# Altium PCB 智能马桶综合检测台_数据板V1.0.PcbDoc (part 3 of 8) (continued)
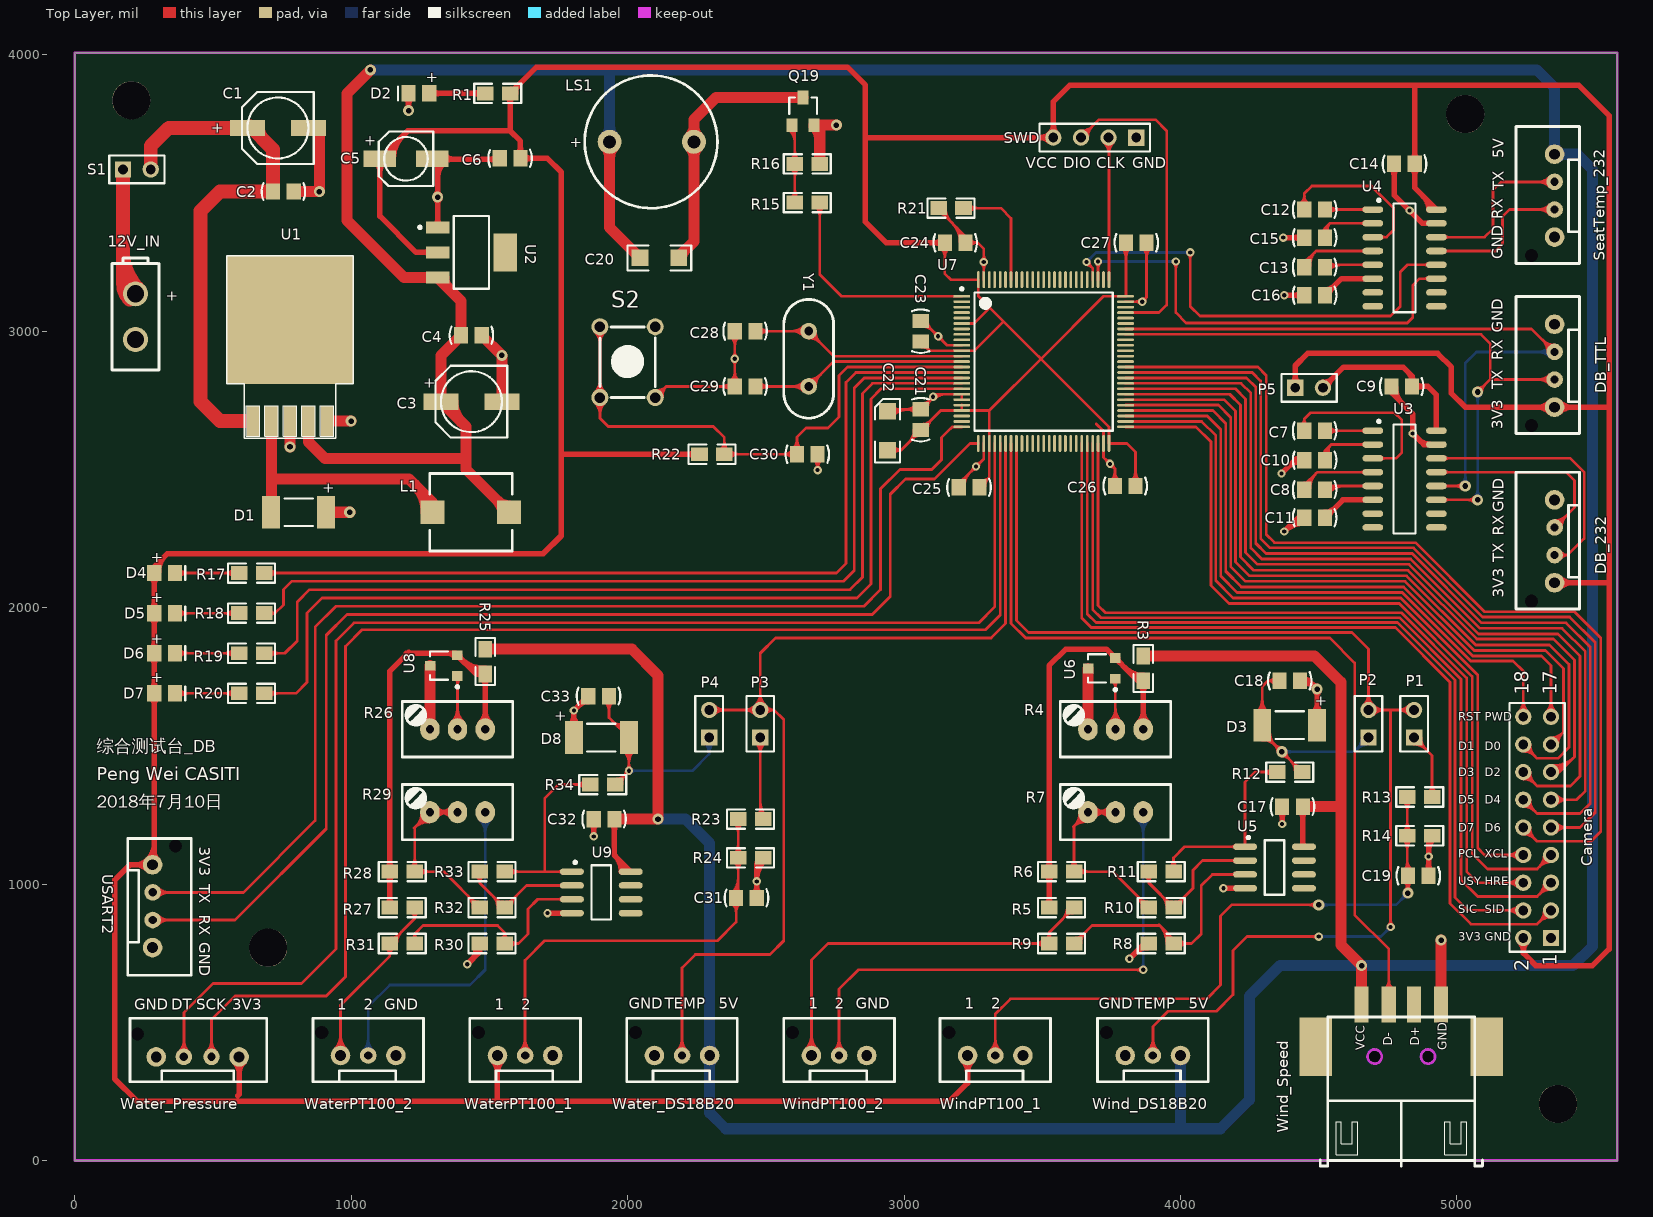
[diagram p0: Top Layer view]
## Nets (pads, with @x,y where several pads share a name; then routed paths per layer and width w, separated by ;. In a path a pad name is that pad's centre, name@x,y a point inside that pad or via, vN(x,y) a via of type N, cw(c..) or ccw(c..) an arc to the next point about the centre after c; other vN are vias at no path point) (continued)
DB_TX: DB_TTL.2 U3.11 U7.68 | length 4728.9
  Top Layer w10: U7.68@3801.26,2988.43 5086.57,2988.43 5120,2955 5120,2825 ; U3.11@4925.63,2390 v2(5075,2390) ; v2(5075,2780) 5120,2825 ; DB_TTL.2@5353,2825 5120,2825 ; U3.11@4956.04,2385.18 cw(c4967.66,2373.56) 4967.66,2390 ; U3.11@4956.04,2385.18 cw(c4967.66,2373.56) 4967.66,2390 ; U3.11@4956.04,2385.18 cw(c4967.66,2373.56) 4967.66,2390 ; U3.11@4956.04,2385.18 cw(c4967.66,2373.56) 4967.66,2390 ; U3.11@4956.04,2385.18 cw(c4967.66,2373.56) 4967.66,2390 ; U3.11@4956.04,2385.18 cw(c4967.66,2373.56) 4967.66,2390 ; U3.11@4956.04,2394.82 ccw(c4967.66,2406.44) 4967.66,2390 ; U3.11@4956.04,2394.82 ccw(c4967.66,2406.44) 4967.66,2390 ; U3.11@4956.04,2394.82 ccw(c4967.66,2406.44) 4967.66,2390 ; U3.11@4956.04,2394.82 ccw(c4967.66,2406.44) 4967.66,2390 ; U3.11@4956.04,2394.82 ccw(c4967.66,2406.44) 4967.66,2390 ; U3.11@4956.04,2394.82 ccw(c4967.66,2406.44) 4967.66,2390 ; 5038.79,2390 cw(c5038.79,2353.79) v2@5064.39,2379.39 ; 5038.79,2390 ccw(c5038.79,2426.21) v2@5064.39,2400.61 ; 5038.79,2390 ccw(c5038.79,2426.21) v2@5064.39,2400.61 ; 5038.79,2390 cw(c5038.79,2353.79) v2@5064.39,2379.39 ; 5038.79,2390 ccw(c5038.79,2426.21) v2@5064.39,2400.61 ; 5038.79,2390 cw(c5038.79,2353.79) v2@5064.39,2379.39 ; 5038.79,2390 ccw(c5038.79,2426.21) v2@5064.39,2400.61 ; 5038.79,2390 cw(c5038.79,2353.79) v2@5064.39,2379.39 ; 5038.79,2390 ccw(c5038.79,2426.21) v2@5064.39,2400.61 ; 5038.79,2390 cw(c5038.79,2353.79) v2@5064.39,2379.39 ; 5038.79,2390 ccw(c5038.79,2426.21) v2@5064.39,2400.61 ; 5038.79,2390 cw(c5038.79,2353.79) v2@5064.39,2379.39 ; v2@5075,2795 ccw(c5075,2831.21) 5100.61,2805.61 ; v2@5075,2795 ccw(c5075,2831.21) 5100.61,2805.61 ; v2@5075,2795 ccw(c5075,2831.21) 5100.61,2805.61 ; v2@5075,2795 ccw(c5075,2831.21) 5100.61,2805.61 ; v2@5075,2795 ccw(c5075,2831.21) 5100.61,2805.61 ; v2@5075,2795 ccw(c5075,2831.21) 5100.61,2805.61 ; v2@5090,2780 cw(c5126.21,2780) 5100.61,2805.61 ; v2@5090,2780 cw(c5126.21,2780) 5100.61,2805.61 ; v2@5090,2780 cw(c5126.21,2780) 5100.61,2805.61 ; v2@5090,2780 cw(c5126.21,2780) 5100.61,2805.61 ; v2@5090,2780 cw(c5126.21,2780) 5100.61,2805.61 ; v2@5090,2780 cw(c5126.21,2780) 5100.61,2805.61 ; 5292.64,2825 cw(c5292.64,2764.64) DB_TTL.2@5335.32,2807.32 ; 5292.64,2825 ccw(c5292.64,2885.36) DB_TTL.2@5335.32,2842.68 ; 5292.64,2825 ccw(c5292.64,2885.36) DB_TTL.2@5335.32,2842.68 ; 5292.64,2825 cw(c5292.64,2764.64) DB_TTL.2@5335.32,2807.32 ; 5292.64,2825 ccw(c5292.64,2885.36) DB_TTL.2@5335.32,2842.68 ; 5292.64,2825 cw(c5292.64,2764.64) DB_TTL.2@5335.32,2807.32 ; 5292.64,2825 ccw(c5292.64,2885.36) DB_TTL.2@5335.32,2842.68 ; 5292.64,2825 cw(c5292.64,2764.64) DB_TTL.2@5335.32,2807.32 ; 5292.64,2825 ccw(c5292.64,2885.36) DB_TTL.2@5335.32,2842.68 ; 5292.64,2825 cw(c5292.64,2764.64) DB_TTL.2@5335.32,2807.32 ; 5292.64,2825 ccw(c5292.64,2885.36) DB_TTL.2@5335.32,2842.68 ; 5292.64,2825 cw(c5292.64,2764.64) DB_TTL.2@5335.32,2807.32 ; 5316.79,2825 cw(c5316.79,2788.79) DB_TTL.2@5342.39,2814.39 ; 5316.79,2825 ccw(c5316.79,2861.21) DB_TTL.2@5342.39,2835.61 ; 5316.79,2825 ccw(c5316.79,2861.21) DB_TTL.2@5342.39,2835.61 ; 5316.79,2825 cw(c5316.79,2788.79) DB_TTL.2@5342.39,2814.39 ; 5316.79,2825 ccw(c5316.79,2861.21) DB_TTL.2@5342.39,2835.61 ; 5316.79,2825 cw(c5316.79,2788.79) DB_TTL.2@5342.39,2814.39 ; 5316.79,2825 ccw(c5316.79,2861.21) DB_TTL.2@5342.39,2835.61 ; 5316.79,2825 cw(c5316.79,2788.79) DB_TTL.2@5342.39,2814.39 ; 5316.79,2825 ccw(c5316.79,2861.21) DB_TTL.2@5342.39,2835.61 ; 5316.79,2825 cw(c5316.79,2788.79) DB_TTL.2@5342.39,2814.39 ; 5316.79,2825 ccw(c5316.79,2861.21) DB_TTL.2@5342.39,2835.61 ; 5316.79,2825 cw(c5316.79,2788.79) DB_TTL.2@5342.39,2814.39
  Bottom Layer w10: v2(5075,2390) v2(5075,2780) ; v2@5064.39,2400.61 ccw(c5038.79,2426.21) 5075,2426.21 ; v2@5064.39,2400.61 ccw(c5038.79,2426.21) 5075,2426.21 ; v2@5064.39,2400.61 ccw(c5038.79,2426.21) 5075,2426.21 ; v2@5064.39,2400.61 ccw(c5038.79,2426.21) 5075,2426.21 ; v2@5064.39,2400.61 ccw(c5038.79,2426.21) 5075,2426.21 ; v2@5064.39,2400.61 ccw(c5038.79,2426.21) 5075,2426.21 ; v2@5064.39,2769.39 cw(c5038.79,2743.79) 5075,2743.79 ; v2@5064.39,2769.39 cw(c5038.79,2743.79) 5075,2743.79 ; v2@5064.39,2769.39 cw(c5038.79,2743.79) 5075,2743.79 ; v2@5064.39,2769.39 cw(c5038.79,2743.79) 5075,2743.79 ; v2@5064.39,2769.39 cw(c5038.79,2743.79) 5075,2743.79 ; v2@5064.39,2769.39 cw(c5038.79,2743.79) 5075,2743.79 ; 5075,2426.21 ccw(c5111.21,2426.21) v2@5085.61,2400.61 ; 5075,2426.21 ccw(c5111.21,2426.21) v2@5085.61,2400.61 ; 5075,2426.21 ccw(c5111.21,2426.21) v2@5085.61,2400.61 ; 5075,2426.21 ccw(c5111.21,2426.21) v2@5085.61,2400.61 ; 5075,2426.21 ccw(c5111.21,2426.21) v2@5085.61,2400.61 ; 5075,2426.21 ccw(c5111.21,2426.21) v2@5085.61,2400.61 ; 5075,2743.79 cw(c5111.21,2743.79) v2@5085.61,2769.39 ; 5075,2743.79 cw(c5111.21,2743.79) v2@5085.61,2769.39 ; 5075,2743.79 cw(c5111.21,2743.79) v2@5085.61,2769.39 ; 5075,2743.79 cw(c5111.21,2743.79) v2@5085.61,2769.39 ; 5075,2743.79 cw(c5111.21,2743.79) v2@5085.61,2769.39 ; 5075,2743.79 cw(c5111.21,2743.79) v2@5085.61,2769.39
HREF: Camera.5 U7.47 | length 4023.1
  Top Layer w10: U7.47@3682.17,2593.74 3682.17,1992.83 3711.39,1963.61 4792.19,1963.61 5015,1740.8 5015,1015 5075,955 5290,955 Camera.5@5340,1005 ; 5298.13,963.13 cw(c5340,921.26) Camera.5@5340,980.47 ; 5298.13,963.13 ccw(c5256.26,1005) Camera.5@5315.47,1005 ; 5298.13,963.13 ccw(c5256.26,1005) Camera.5@5315.47,1005 ; 5298.13,963.13 cw(c5340,921.26) Camera.5@5340,980.47 ; 5298.13,963.13 ccw(c5256.26,1005) Camera.5@5315.47,1005 ; 5298.13,963.13 cw(c5340,921.26) Camera.5@5340,980.47 ; 5298.13,963.13 ccw(c5256.26,1005) Camera.5@5315.47,1005 ; 5298.13,963.13 cw(c5340,921.26) Camera.5@5340,980.47 ; 5298.13,963.13 ccw(c5256.26,1005) Camera.5@5315.47,1005 ; 5298.13,963.13 cw(c5340,921.26) Camera.5@5340,980.47 ; 5298.13,963.13 ccw(c5256.26,1005) Camera.5@5315.47,1005 ; 5298.13,963.13 cw(c5340,921.26) Camera.5@5340,980.47 ; 5315.2,980.2 cw(c5340,955.4) Camera.5@5340,990.47 ; 5315.2,980.2 ccw(c5290.4,1005) Camera.5@5325.47,1005 ; 5315.2,980.2 ccw(c5290.4,1005) Camera.5@5325.47,1005 ; 5315.2,980.2 cw(c5340,955.4) Camera.5@5340,990.47 ; 5315.2,980.2 ccw(c5290.4,1005) Camera.5@5325.47,1005 ; 5315.2,980.2 cw(c5340,955.4) Camera.5@5340,990.47 ; 5315.2,980.2 ccw(c5290.4,1005) Camera.5@5325.47,1005 ; 5315.2,980.2 cw(c5340,955.4) Camera.5@5340,990.47 ; 5315.2,980.2 ccw(c5290.4,1005) Camera.5@5325.47,1005 ; 5315.2,980.2 cw(c5340,955.4) Camera.5@5340,990.47 ; 5315.2,980.2 ccw(c5290.4,1005) Camera.5@5325.47,1005 ; 5315.2,980.2 cw(c5340,955.4) Camera.5@5340,990.47
LED1: R17.1 U7.15 | length 3663.1
  Top Layer w10: R17.1@685,2125 2755,2125 2790,2160 2790,2815 2825.63,2850.63 U7.15@3208.74,2850.63 ; R17.1@704.14,2110.86 cw(c738.28,2076.72) 738.28,2125 ; R17.1@704.14,2110.86 cw(c738.28,2076.72) 738.28,2125 ; R17.1@704.14,2110.86 cw(c738.28,2076.72) 738.28,2125 ; R17.1@704.14,2110.86 cw(c738.28,2076.72) 738.28,2125 ; R17.1@704.14,2110.86 cw(c738.28,2076.72) 738.28,2125 ; R17.1@704.14,2110.86 cw(c738.28,2076.72) 738.28,2125 ; R17.1@704.14,2139.14 ccw(c738.28,2173.28) 738.28,2125 ; R17.1@704.14,2139.14 ccw(c738.28,2173.28) 738.28,2125 ; R17.1@704.14,2139.14 ccw(c738.28,2173.28) 738.28,2125 ; R17.1@704.14,2139.14 ccw(c738.28,2173.28) 738.28,2125 ; R17.1@704.14,2139.14 ccw(c738.28,2173.28) 738.28,2125 ; R17.1@704.14,2139.14 ccw(c738.28,2173.28) 738.28,2125
LED2: R18.1 U7.16 | length 3552
  Top Layer w10: R18.1@685,1980 725,1980 ; U7.16@3208.74,2830.94 2855.94,2830.94 2820,2795 2820,2135 2780,2095 785,2095 755,2065 755,2010 725,1980 ; R18.1@707.23,1969.85 cw(c725,1959.38) 725,1980 ; R18.1@707.23,1969.85 cw(c725,1959.38) 725,1980 ; R18.1@707.23,1969.85 cw(c725,1959.38) 725,1980 ; R18.1@707.23,1969.85 cw(c725,1959.38) 725,1980 ; R18.1@707.23,1969.85 cw(c725,1959.38) 725,1980 ; R18.1@707.23,1969.85 cw(c725,1959.38) 725,1980 ; R18.1@707.23,1990.15 ccw(c725,2000.62) 725,1980 ; R18.1@707.23,1990.15 ccw(c725,2000.62) 725,1980 ; R18.1@707.23,1990.15 ccw(c725,2000.62) 725,1980 ; R18.1@707.23,1990.15 ccw(c725,2000.62) 725,1980 ; R18.1@707.23,1990.15 ccw(c725,2000.62) 725,1980 ; R18.1@707.23,1990.15 ccw(c725,2000.62) 725,1980
LED3: R19.1 U7.17 | length 3854.7
  Top Layer w10: R19.1@685,1835 760,1835 805,1880 805,2020 850,2065 2805,2065 2850,2110 2850,2775 2886.26,2811.26 U7.17@3208.74,2811.26 ; R19.1@704.14,1820.86 cw(c738.28,1786.72) 738.28,1835 ; R19.1@704.14,1820.86 cw(c738.28,1786.72) 738.28,1835 ; R19.1@704.14,1820.86 cw(c738.28,1786.72) 738.28,1835 ; R19.1@704.14,1820.86 cw(c738.28,1786.72) 738.28,1835 ; R19.1@704.14,1820.86 cw(c738.28,1786.72) 738.28,1835 ; R19.1@704.14,1820.86 cw(c738.28,1786.72) 738.28,1835 ; R19.1@704.14,1849.14 ccw(c738.28,1883.28) 738.28,1835 ; R19.1@704.14,1849.14 ccw(c738.28,1883.28) 738.28,1835 ; R19.1@704.14,1849.14 ccw(c738.28,1883.28) 738.28,1835 ; R19.1@704.14,1849.14 ccw(c738.28,1883.28) 738.28,1835 ; R19.1@704.14,1849.14 ccw(c738.28,1883.28) 738.28,1835 ; R19.1@704.14,1849.14 ccw(c738.28,1883.28) 738.28,1835
LED4: R20.1 U7.18 | length 3974
  Top Layer w10: R20.1@685,1690 800,1690 840,1730 840,1980 895,2035 2830,2035 2880,2085 2880,2755 2916.57,2791.57 U7.18@3208.74,2791.57 ; R20.1@704.14,1675.86 cw(c738.28,1641.72) 738.28,1690 ; R20.1@704.14,1675.86 cw(c738.28,1641.72) 738.28,1690 ; R20.1@704.14,1675.86 cw(c738.28,1641.72) 738.28,1690 ; R20.1@704.14,1675.86 cw(c738.28,1641.72) 738.28,1690 ; R20.1@704.14,1675.86 cw(c738.28,1641.72) 738.28,1690 ; R20.1@704.14,1675.86 cw(c738.28,1641.72) 738.28,1690 ; R20.1@704.14,1704.14 ccw(c738.28,1738.28) 738.28,1690 ; R20.1@704.14,1704.14 ccw(c738.28,1738.28) 738.28,1690 ; R20.1@704.14,1704.14 ccw(c738.28,1738.28) 738.28,1690 ; R20.1@704.14,1704.14 ccw(c738.28,1738.28) 738.28,1690 ; R20.1@704.14,1704.14 ccw(c738.28,1738.28) 738.28,1690 ; R20.1@704.14,1704.14 ccw(c738.28,1738.28) 738.28,1690
NetC7_1: C7.1 U3.1 | length 796.7
  Top Layer w10: C7.1@4522.4,2640 U3.1@4695.63,2640 ; C7.1@4536.96,2625.44 cw(c4572.11,2590.29) 4572.11,2640 ; C7.1@4536.96,2625.44 cw(c4572.11,2590.29) 4572.11,2640 ; C7.1@4536.96,2625.44 cw(c4572.11,2590.29) 4572.11,2640 ; C7.1@4536.96,2625.44 cw(c4572.11,2590.29) 4572.11,2640 ; C7.1@4536.96,2625.44 cw(c4572.11,2590.29) 4572.11,2640 ; C7.1@4536.96,2625.44 cw(c4572.11,2590.29) 4572.11,2640 ; C7.1@4536.96,2654.56 ccw(c4572.11,2689.71) 4572.11,2640 ; C7.1@4536.96,2654.56 ccw(c4572.11,2689.71) 4572.11,2640 ; C7.1@4536.96,2654.56 ccw(c4572.11,2689.71) 4572.11,2640 ; C7.1@4536.96,2654.56 ccw(c4572.11,2689.71) 4572.11,2640 ; C7.1@4536.96,2654.56 ccw(c4572.11,2689.71) 4572.11,2640 ; C7.1@4536.96,2654.56 ccw(c4572.11,2689.71) 4572.11,2640 ; 4653.6,2640 cw(c4653.6,2623.56) U3.1@4665.22,2635.18 ; 4653.6,2640 ccw(c4653.6,2656.44) U3.1@4665.22,2644.82 ; 4653.6,2640 ccw(c4653.6,2656.44) U3.1@4665.22,2644.82 ; 4653.6,2640 cw(c4653.6,2623.56) U3.1@4665.22,2635.18 ; 4653.6,2640 ccw(c4653.6,2656.44) U3.1@4665.22,2644.82 ; 4653.6,2640 cw(c4653.6,2623.56) U3.1@4665.22,2635.18 ; 4653.6,2640 ccw(c4653.6,2656.44) U3.1@4665.22,2644.82 ; 4653.6,2640 cw(c4653.6,2623.56) U3.1@4665.22,2635.18 ; 4653.6,2640 ccw(c4653.6,2656.44) U3.1@4665.22,2644.82 ; 4653.6,2640 cw(c4653.6,2623.56) U3.1@4665.22,2635.18 ; 4653.6,2640 ccw(c4653.6,2656.44) U3.1@4665.22,2644.82 ; 4653.6,2640 cw(c4653.6,2623.56) U3.1@4665.22,2635.18
NetC7_2: C7.2 U3.3 | length 1107.6
  Top Layer w10: C7.2@4447.6,2640 4447.6,2682.6 ; U3.3@4695.63,2540 4780,2540 4800,2560 4800,2680 4775,2705 4470,2705 4447.6,2682.6 ; C7.2@4436.11,2661.02 ccw(c4421.6,2682.6) 4447.6,2682.6 ; C7.2@4436.11,2661.02 ccw(c4421.6,2682.6) 4447.6,2682.6 ; C7.2@4436.11,2661.02 ccw(c4421.6,2682.6) 4447.6,2682.6 ; C7.2@4436.11,2661.02 ccw(c4421.6,2682.6) 4447.6,2682.6 ; C7.2@4436.11,2661.02 ccw(c4421.6,2682.6) 4447.6,2682.6 ; C7.2@4436.11,2661.02 ccw(c4421.6,2682.6) 4447.6,2682.6 ; 4447.6,2682.6 ccw(c4473.6,2682.6) C7.2@4459.09,2661.02 ; 4447.6,2682.6 ccw(c4473.6,2682.6) C7.2@4459.09,2661.02 ; 4447.6,2682.6 ccw(c4473.6,2682.6) C7.2@4459.09,2661.02 ; 4447.6,2682.6 ccw(c4473.6,2682.6) C7.2@4459.09,2661.02 ; 4447.6,2682.6 ccw(c4473.6,2682.6) C7.2@4459.09,2661.02 ; 4447.6,2682.6 ccw(c4473.6,2682.6) C7.2@4459.09,2661.02 ; U3.3@4726.04,2535.18 cw(c4737.66,2523.56) 4737.66,2540 ; U3.3@4726.04,2535.18 cw(c4737.66,2523.56) 4737.66,2540 ; U3.3@4726.04,2535.18 cw(c4737.66,2523.56) 4737.66,2540 ; U3.3@4726.04,2535.18 cw(c4737.66,2523.56) 4737.66,2540 ; U3.3@4726.04,2535.18 cw(c4737.66,2523.56) 4737.66,2540 ; U3.3@4726.04,2535.18 cw(c4737.66,2523.56) 4737.66,2540 ; U3.3@4726.04,2544.82 ccw(c4737.66,2556.44) 4737.66,2540 ; U3.3@4726.04,2544.82 ccw(c4737.66,2556.44) 4737.66,2540 ; U3.3@4726.04,2544.82 ccw(c4737.66,2556.44) 4737.66,2540 ; U3.3@4726.04,2544.82 ccw(c4737.66,2556.44) 4737.66,2540 ; U3.3@4726.04,2544.82 ccw(c4737.66,2556.44) 4737.66,2540 ; U3.3@4726.04,2544.82 ccw(c4737.66,2556.44) 4737.66,2540
NetC8_1: C8.1 U3.4 | length 1184
  Top Layer w10: C8.1@4447.6,2406.67 4447.6,2442.6 4495,2490 U3.4@4695.63,2490 ; C8.1@4447.6,2451.19 ccw(c4447.6,2471.95) 4462.27,2457.27 ; C8.1@4447.6,2451.19 ccw(c4447.6,2471.95) 4462.27,2457.27 ; C8.1@4447.6,2451.19 ccw(c4447.6,2471.95) 4462.27,2457.27 ; C8.1@4447.6,2451.19 ccw(c4447.6,2471.95) 4462.27,2457.27 ; C8.1@4447.6,2451.19 ccw(c4447.6,2471.95) 4462.27,2457.27 ; C8.1@4447.6,2451.19 ccw(c4447.6,2471.95) 4462.27,2457.27 ; C8.1@4458.19,2430.6 cw(c4512.72,2430.6) 4474.16,2469.16 ; C8.1@4458.19,2430.6 cw(c4512.72,2430.6) 4474.16,2469.16 ; C8.1@4458.19,2430.6 cw(c4512.72,2430.6) 4474.16,2469.16 ; C8.1@4458.19,2430.6 cw(c4512.72,2430.6) 4474.16,2469.16 ; C8.1@4458.19,2430.6 cw(c4512.72,2430.6) 4474.16,2469.16 ; C8.1@4458.19,2430.6 cw(c4512.72,2430.6) 4474.16,2469.16 ; C8.1@4468.19,2430.6 cw(c4546.86,2430.6) 4491.23,2486.23 ; C8.1@4468.19,2430.6 cw(c4546.86,2430.6) 4491.23,2486.23 ; C8.1@4468.19,2430.6 cw(c4546.86,2430.6) 4491.23,2486.23 ; C8.1@4468.19,2430.6 cw(c4546.86,2430.6) 4491.23,2486.23 ; C8.1@4468.19,2430.6 cw(c4546.86,2430.6) 4491.23,2486.23 ; C8.1@4468.19,2430.6 cw(c4546.86,2430.6) 4491.23,2486.23 ; 4653.6,2490 cw(c4653.6,2473.56) U3.4@4665.22,2485.18 ; 4653.6,2490 ccw(c4653.6,2506.44) U3.4@4665.22,2494.82 ; 4653.6,2490 ccw(c4653.6,2506.44) U3.4@4665.22,2494.82 ; 4653.6,2490 cw(c4653.6,2473.56) U3.4@4665.22,2485.18 ; 4653.6,2490 ccw(c4653.6,2506.44) U3.4@4665.22,2494.82 ; 4653.6,2490 cw(c4653.6,2473.56) U3.4@4665.22,2485.18 ; 4653.6,2490 ccw(c4653.6,2506.44) U3.4@4665.22,2494.82 ; 4653.6,2490 cw(c4653.6,2473.56) U3.4@4665.22,2485.18 ; 4653.6,2490 ccw(c4653.6,2506.44) U3.4@4665.22,2494.82 ; 4653.6,2490 cw(c4653.6,2473.56) U3.4@4665.22,2485.18 ; 4653.6,2490 ccw(c4653.6,2506.44) U3.4@4665.22,2494.82 ; 4653.6,2490 cw(c4653.6,2473.56) U3.4@4665.22,2485.18
NetC8_2: C8.2 U3.5 | length 1223.7
  Top Layer w10: C8.2@4525,2440 U3.5@4695.63,2440 ; C8.2@4522.82,2430.19 cw(c4546.51,2406.49) C8.2@4546.51,2440 ; C8.2@4522.82,2430.19 cw(c4546.51,2406.49) C8.2@4546.51,2440 ; C8.2@4522.82,2430.19 cw(c4546.51,2406.49) C8.2@4546.51,2440 ; C8.2@4522.82,2430.19 cw(c4546.51,2406.49) C8.2@4546.51,2440 ; C8.2@4522.82,2430.19 cw(c4546.51,2406.49) C8.2@4546.51,2440 ; C8.2@4522.82,2430.19 cw(c4546.51,2406.49) C8.2@4546.51,2440 ; C8.2@4529.89,2423.11 cw(c4570.65,2382.35) 4570.65,2440 ; C8.2@4529.89,2423.11 cw(c4570.65,2382.35) 4570.65,2440 ; C8.2@4529.89,2423.11 cw(c4570.65,2382.35) 4570.65,2440 ; C8.2@4529.89,2423.11 cw(c4570.65,2382.35) 4570.65,2440 ; C8.2@4529.89,2423.11 cw(c4570.65,2382.35) 4570.65,2440 ; C8.2@4529.89,2423.11 cw(c4570.65,2382.35) 4570.65,2440 ; C8.2@4536.96,2416.04 cw(c4594.8,2358.21) 4594.8,2440 ; C8.2@4536.96,2416.04 cw(c4594.8,2358.21) 4594.8,2440 ; C8.2@4536.96,2416.04 cw(c4594.8,2358.21) 4594.8,2440 ; C8.2@4536.96,2416.04 cw(c4594.8,2358.21) 4594.8,2440 ; C8.2@4536.96,2416.04 cw(c4594.8,2358.21) 4594.8,2440 ; C8.2@4536.96,2416.04 cw(c4594.8,2358.21) 4594.8,2440 ; C8.2@4536.96,2445.16 ccw(c4549.43,2457.63) 4549.43,2440 ; C8.2@4536.96,2445.16 ccw(c4549.43,2457.63) 4549.43,2440 ; C8.2@4536.96,2445.16 ccw(c4549.43,2457.63) 4549.43,2440 ; C8.2@4536.96,2445.16 ccw(c4549.43,2457.63) 4549.43,2440 ; C8.2@4536.96,2445.16 ccw(c4549.43,2457.63) 4549.43,2440 ; C8.2@4536.96,2445.16 ccw(c4549.43,2457.63) 4549.43,2440 ; 4653.6,2440 cw(c4653.6,2423.56) U3.5@4665.22,2435.18 ; 4653.6,2440 ccw(c4653.6,2456.44) U3.5@4665.22,2444.82 ; 4653.6,2440 ccw(c4653.6,2456.44) U3.5@4665.22,2444.82 ; 4653.6,2440 cw(c4653.6,2423.56) U3.5@4665.22,2435.18 ; 4653.6,2440 ccw(c4653.6,2456.44) U3.5@4665.22,2444.82 ; 4653.6,2440 cw(c4653.6,2423.56) U3.5@4665.22,2435.18 ; 4653.6,2440 ccw(c4653.6,2456.44) U3.5@4665.22,2444.82 ; 4653.6,2440 cw(c4653.6,2423.56) U3.5@4665.22,2435.18 ; 4653.6,2440 ccw(c4653.6,2456.44) U3.5@4665.22,2444.82 ; 4653.6,2440 cw(c4653.6,2423.56) U3.5@4665.22,2435.18 ; 4653.6,2440 ccw(c4653.6,2456.44) U3.5@4665.22,2444.82 ; 4653.6,2440 cw(c4653.6,2423.56) U3.5@4665.22,2435.18
NetC9_2: C9.2 P5.2 U3.16 | length 2059.6
  Top Layer w20: P5.2@4515,2795 4590,2870 4805,2870 4837.4,2837.6 ; U3.16@4925.63,2640 4925.63,2769.37 4895,2800 C9.2@4837.4,2800 4837.4,2837.6 ; P5.2@4515,2814.53 ccw(c4515,2861.67) 4548.34,2828.34 ; P5.2@4515,2814.53 ccw(c4515,2861.67) 4548.34,2828.34 ; P5.2@4515,2814.53 ccw(c4515,2861.67) 4548.34,2828.34 ; P5.2@4515,2814.53 ccw(c4515,2861.67) 4548.34,2828.34 ; P5.2@4515,2814.53 ccw(c4515,2861.67) 4548.34,2828.34 ; P5.2@4515,2814.53 ccw(c4515,2861.67) 4548.34,2828.34 ; P5.2@4534.53,2795 cw(c4581.67,2795) 4548.34,2828.34 ; P5.2@4534.53,2795 cw(c4581.67,2795) 4548.34,2828.34 ; P5.2@4534.53,2795 cw(c4581.67,2795) 4548.34,2828.34 ; P5.2@4534.53,2795 cw(c4581.67,2795) 4548.34,2828.34 ; P5.2@4534.53,2795 cw(c4581.67,2795) 4548.34,2828.34 ; P5.2@4534.53,2795 cw(c4581.67,2795) 4548.34,2828.34 ; 4821.71,2853.29 cw(c4773.18,2804.75) C9.2@4841.81,2803.88 ; 4821.71,2853.29 cw(c4773.18,2804.75) C9.2@4841.81,2803.88 ; 4821.71,2853.29 cw(c4773.18,2804.75) C9.2@4841.81,2803.88 ; 4821.71,2853.29 cw(c4773.18,2804.75) C9.2@4841.81,2803.88 ; 4821.71,2853.29 cw(c4773.18,2804.75) C9.2@4841.81,2803.88 ; 4821.71,2853.29 cw(c4773.18,2804.75) C9.2@4841.81,2803.88 ; C9.2@4827.32,2815.83 ccw(c4808.86,2837.6) 4837.4,2837.6 ; C9.2@4827.32,2815.83 ccw(c4808.86,2837.6) 4837.4,2837.6 ; C9.2@4827.32,2815.83 ccw(c4808.86,2837.6) 4837.4,2837.6 ; C9.2@4827.32,2815.83 ccw(c4808.86,2837.6) 4837.4,2837.6 ; C9.2@4827.32,2815.83 ccw(c4808.86,2837.6) 4837.4,2837.6 ; C9.2@4827.32,2815.83 ccw(c4808.86,2837.6) 4837.4,2837.6 ; 4837.4,2837.6 ccw(c4865.94,2837.6) C9.2@4847.48,2815.83 ; 4837.4,2837.6 ccw(c4865.94,2837.6) C9.2@4847.48,2815.83 ; 4837.4,2837.6 ccw(c4865.94,2837.6) C9.2@4847.48,2815.83 ; 4837.4,2837.6 ccw(c4865.94,2837.6) C9.2@4847.48,2815.83 ; 4837.4,2837.6 ccw(c4865.94,2837.6) C9.2@4847.48,2815.83 ; 4837.4,2837.6 ccw(c4865.94,2837.6) C9.2@4847.48,2815.83 ; C9.2@4848.43,2788.98 cw(c4875.04,2762.36) 4875.04,2800 ; C9.2@4848.43,2788.98 cw(c4875.04,2762.36) 4875.04,2800 ; C9.2@4848.43,2788.98 cw(c4875.04,2762.36) 4875.04,2800 ; C9.2@4848.43,2788.98 cw(c4875.04,2762.36) 4875.04,2800 ; C9.2@4848.43,2788.98 cw(c4875.04,2762.36) 4875.04,2800 ; C9.2@4848.43,2788.98 cw(c4875.04,2762.36) 4875.04,2800 ; C9.2@4848.43,2811.02 ccw(c4875.04,2837.64) 4875.04,2800 ; C9.2@4848.43,2811.02 ccw(c4875.04,2837.64) 4875.04,2800 ; C9.2@4848.43,2811.02 ccw(c4875.04,2837.64) 4875.04,2800 ; C9.2@4848.43,2811.02 ccw(c4875.04,2837.64) 4875.04,2800 ; C9.2@4848.43,2811.02 ccw(c4875.04,2837.64) 4875.04,2800 ; C9.2@4848.43,2811.02 ccw(c4875.04,2837.64) 4875.04,2800
NetC10_2: C10.2 U3.2 | length 1297.7
  Top Layer w10: C10.2@4522.4,2523.33 4522.4,2567.4 ; U3.2@4695.63,2590 4545,2590 ; C10.2@4514.92,2556.45 ccw(c4510.65,2567.4) 4522.4,2567.4 ; C10.2@4514.92,2556.45 ccw(c4510.65,2567.4) 4522.4,2567.4 ; C10.2@4514.92,2556.45 ccw(c4510.65,2567.4) 4522.4,2567.4 ; C10.2@4514.92,2556.45 ccw(c4510.65,2567.4) 4522.4,2567.4 ; C10.2@4514.92,2556.45 ccw(c4510.65,2567.4) 4522.4,2567.4 ; C10.2@4514.92,2556.45 ccw(c4510.65,2567.4) 4522.4,2567.4 ; 4522.4,2567.4 ccw(c4534.15,2567.4) C10.2@4529.88,2556.45 ; 4522.4,2567.4 ccw(c4534.15,2567.4) C10.2@4529.88,2556.45 ; 4522.4,2567.4 ccw(c4534.15,2567.4) C10.2@4529.88,2556.45 ; 4522.4,2567.4 ccw(c4534.15,2567.4) C10.2@4529.88,2556.45 ; 4522.4,2567.4 ccw(c4534.15,2567.4) C10.2@4529.88,2556.45 ; 4522.4,2567.4 ccw(c4534.15,2567.4) C10.2@4529.88,2556.45 ; 4522.4,2567.4 4545,2590 ; C10.2@4522.91,2537.58 cw(c4546.86,2552.18) 4527.02,2572.02 ; C10.2@4522.91,2537.58 cw(c4546.86,2552.18) 4527.02,2572.02 ; C10.2@4522.91,2537.58 cw(c4546.86,2552.18) 4527.02,2572.02 ; C10.2@4522.91,2537.58 cw(c4546.86,2552.18) 4527.02,2572.02 ; C10.2@4522.91,2537.58 cw(c4546.86,2552.18) 4527.02,2572.02 ; C10.2@4522.91,2537.58 cw(c4546.86,2552.18) 4527.02,2572.02 ; C10.2@4531.44,2542.78 cw(c4558.02,2558.99) 4536.01,2581.01 ; C10.2@4531.44,2542.78 cw(c4558.02,2558.99) 4536.01,2581.01 ; C10.2@4531.44,2542.78 cw(c4558.02,2558.99) 4536.01,2581.01 ; C10.2@4531.44,2542.78 cw(c4558.02,2558.99) 4536.01,2581.01 ; C10.2@4531.44,2542.78 cw(c4558.02,2558.99) 4536.01,2581.01 ; C10.2@4531.44,2542.78 cw(c4558.02,2558.99) 4536.01,2581.01 ; C10.2@4539.98,2547.99 cw(c4569.19,2565.81) 4545,2590 ; C10.2@4539.98,2547.99 cw(c4569.19,2565.81) 4545,2590 ; C10.2@4539.98,2547.99 cw(c4569.19,2565.81) 4545,2590 ; C10.2@4539.98,2547.99 cw(c4569.19,2565.81) 4545,2590 ; C10.2@4539.98,2547.99 cw(c4569.19,2565.81) 4545,2590 ; C10.2@4539.98,2547.99 cw(c4569.19,2565.81) 4545,2590 ; 4653.6,2590 cw(c4653.6,2573.56) U3.2@4665.22,2585.18 ; 4653.6,2590 ccw(c4653.6,2606.44) U3.2@4665.22,2594.82 ; 4653.6,2590 ccw(c4653.6,2606.44) U3.2@4665.22,2594.82 ; 4653.6,2590 cw(c4653.6,2573.56) U3.2@4665.22,2585.18 ; 4653.6,2590 ccw(c4653.6,2606.44) U3.2@4665.22,2594.82 ; 4653.6,2590 cw(c4653.6,2573.56) U3.2@4665.22,2585.18 ; 4653.6,2590 ccw(c4653.6,2606.44) U3.2@4665.22,2594.82 ; 4653.6,2590 cw(c4653.6,2573.56) U3.2@4665.22,2585.18 ; 4653.6,2590 ccw(c4653.6,2606.44) U3.2@4665.22,2594.82 ; 4653.6,2590 cw(c4653.6,2573.56) U3.2@4665.22,2585.18 ; 4653.6,2590 ccw(c4653.6,2606.44) U3.2@4665.22,2594.82 ; 4653.6,2590 cw(c4653.6,2573.56) U3.2@4665.22,2585.18
NetC11_2: C11.2 U3.6 | length 554.9
  Top Layer w20: C11.2@4522.4,2325 4587.4,2390 U3.6@4695.63,2390 ; C11.2@4522.4,2344.53 ccw(c4522.4,2391.67) 4555.74,2358.34 ; C11.2@4522.4,2344.53 ccw(c4522.4,2391.67) 4555.74,2358.34 ; C11.2@4522.4,2344.53 ccw(c4522.4,2391.67) 4555.74,2358.34 ; C11.2@4522.4,2344.53 ccw(c4522.4,2391.67) 4555.74,2358.34 ; C11.2@4522.4,2344.53 ccw(c4522.4,2391.67) 4555.74,2358.34 ; C11.2@4522.4,2344.53 ccw(c4522.4,2391.67) 4555.74,2358.34 ; C11.2@4537.99,2328.94 cw(c4566.13,2328.94) C11.2@4546.23,2348.83 ; C11.2@4537.99,2328.94 cw(c4566.13,2328.94) C11.2@4546.23,2348.83 ; C11.2@4537.99,2328.94 cw(c4566.13,2328.94) C11.2@4546.23,2348.83 ; C11.2@4537.99,2328.94 cw(c4566.13,2328.94) C11.2@4546.23,2348.83 ; C11.2@4537.99,2328.94 cw(c4566.13,2328.94) C11.2@4546.23,2348.83 ; C11.2@4537.99,2328.94 cw(c4566.13,2328.94) C11.2@4546.23,2348.83
NetC12_1: C12.1 U4.1 | length 796.7
  Top Layer w10: C12.1@4522.4,3440 U4.1@4695.63,3440 ; C12.1@4536.96,3425.44 cw(c4572.11,3390.29) 4572.11,3440 ; C12.1@4536.96,3425.44 cw(c4572.11,3390.29) 4572.11,3440 ; C12.1@4536.96,3425.44 cw(c4572.11,3390.29) 4572.11,3440 ; C12.1@4536.96,3425.44 cw(c4572.11,3390.29) 4572.11,3440 ; C12.1@4536.96,3425.44 cw(c4572.11,3390.29) 4572.11,3440 ; C12.1@4536.96,3425.44 cw(c4572.11,3390.29) 4572.11,3440 ; C12.1@4536.96,3454.56 ccw(c4572.11,3489.71) 4572.11,3440 ; C12.1@4536.96,3454.56 ccw(c4572.11,3489.71) 4572.11,3440 ; C12.1@4536.96,3454.56 ccw(c4572.11,3489.71) 4572.11,3440 ; C12.1@4536.96,3454.56 ccw(c4572.11,3489.71) 4572.11,3440 ; C12.1@4536.96,3454.56 ccw(c4572.11,3489.71) 4572.11,3440 ; C12.1@4536.96,3454.56 ccw(c4572.11,3489.71) 4572.11,3440 ; 4653.6,3440 cw(c4653.6,3423.56) U4.1@4665.22,3435.18 ; 4653.6,3440 ccw(c4653.6,3456.44) U4.1@4665.22,3444.82 ; 4653.6,3440 ccw(c4653.6,3456.44) U4.1@4665.22,3444.82 ; 4653.6,3440 cw(c4653.6,3423.56) U4.1@4665.22,3435.18 ; 4653.6,3440 ccw(c4653.6,3456.44) U4.1@4665.22,3444.82 ; 4653.6,3440 cw(c4653.6,3423.56) U4.1@4665.22,3435.18 ; 4653.6,3440 ccw(c4653.6,3456.44) U4.1@4665.22,3444.82 ; 4653.6,3440 cw(c4653.6,3423.56) U4.1@4665.22,3435.18 ; 4653.6,3440 ccw(c4653.6,3456.44) U4.1@4665.22,3444.82 ; 4653.6,3440 cw(c4653.6,3423.56) U4.1@4665.22,3435.18 ; 4653.6,3440 ccw(c4653.6,3456.44) U4.1@4665.22,3444.82 ; 4653.6,3440 cw(c4653.6,3423.56) U4.1@4665.22,3435.18